# Altium PCB Main_PCB.PcbDoc (part 6 of 13) (continued)
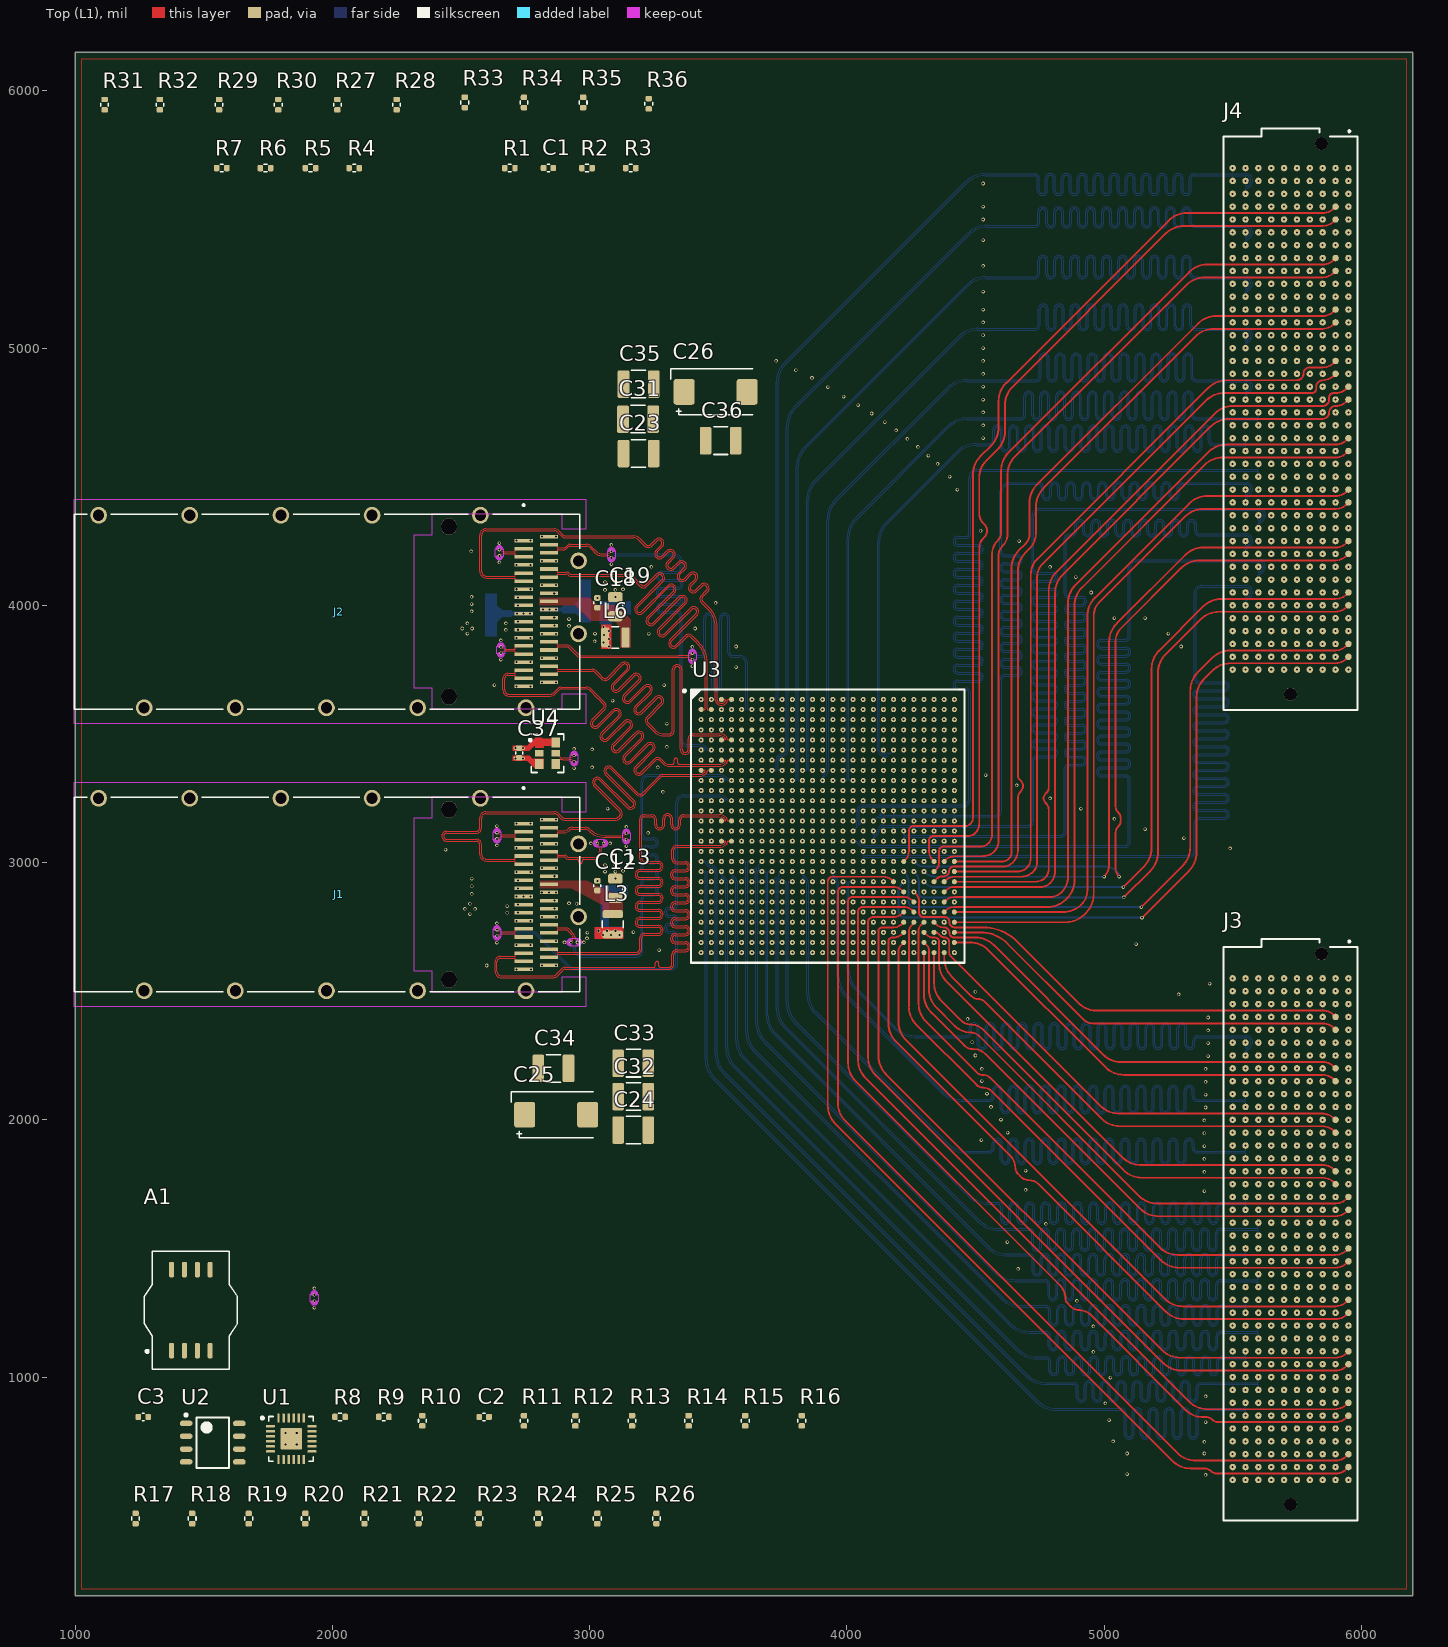
[diagram p0: Top (L1) view]
## Nets (pads, with @x,y where several pads share a name; then routed paths per layer and width w, separated by ;. In a path a pad name is that pad's centre, name@x,y a point inside that pad or via, vN(x,y) a via of type N, cw(c..) or ccw(c..) an arc to the next point about the centre after c; other vN are vias at no path point) (continued)
HPCC_A_62_P: J3.H36 U3.Y3 | length 3507.7
  Int9 (L10) w3.5: v1(3512.6,2886.22) 3500.17,2886.2 ccw(c3500.18,2882.7) 3497.3,2880.71 3499.74,2877.23 ccw(c3512.6,2886.22) 3510.12,2870.73 3516.27,2869.75 cw(c3512.6,2846.85) 3535.79,2846.85 3535.79,2625 cw(c3532.65,2621.86) 3537.09,2621.86 3537.09,2279.34 ccw(c3637.09,2279.34) 3566.37,2208.63 4966.31,808.69 ccw(c5037.02,879.4) 5037.02,779.4 5038,779.4 5044.15,779.4 ccw(c5044.15,791.15) 5055.9,791.15 5055.9,808.47 cw(c5076.45,808.47) 5097,808.47 5097,790.15 ccw(c5108.75,790.15) 5120.5,790.15 5120.5,808.47 cw(c5141.05,808.47) 5161.6,808.47 5161.6,791.15 ccw(c5173.35,791.15) 5173.35,779.4 5209.63,779.4 5596.5,779.4 ccw(c5596.5,782.9) 5598.97,780.43 ccw(c5596.5,782.9) 5600,782.9 v1(5600,800)
HPCC_A_63_N: J3.J3 U3.V19 | length 3525.4
  Int9 (L10) w3.5: v1(4142.52,2964.96) 4130.08,2964.96 ccw(c4130.08,2961.46) 4127.61,2963.94 ccw(c4130.08,2961.46) 4126.58,2961.46 ccw(c4130.08,2961.46) 4127.61,2958.99 ccw(c4151.72,2983.09) 4151.72,2949 4222.9,2949 cw(c4222.86,2941.5) 4225.03,2948.68 ; 4225.05,2948.67 4227.99,2947.78 4228.05,2947.76 cw(c4221.26,2925.59) 4244.45,2925.63 4244.45,2925.42 4244.94,2886.17 4244.94,2625 ccw(c4276.19,2625) 4254.09,2602.91 4255,2602 ccw(c4274.31,2621.31) 4274.31,2594 4475.56,2594 4514.01,2594 cw(c4514.01,2573.45) 4534.56,2573.45 4534.56,2526.36 ccw(c4546.31,2526.36) 4558.06,2526.36 4558.06,2575.41 cw(c4578.61,2575.41) 4599.16,2575.41 4599.16,2526.36 ccw(c4610.91,2526.36) 4622.66,2526.36 4622.66,2575.41 cw(c4643.21,2575.41) 4663.76,2575.41 4663.76,2526.36 ccw(c4675.51,2526.36) 4687.26,2526.36 4687.26,2575.41 cw(c4707.81,2575.41) 4728.36,2575.41 4728.36,2526.36 ccw(c4740.11,2526.36) 4751.86,2526.36 4751.86,2575.41 cw(c4772.41,2575.41) 4792.96,2575.41 4792.96,2526.36 ccw(c4804.71,2526.36) 4816.46,2526.36 4816.46,2575.41 cw(c4837.01,2575.41) 4857.56,2575.41 4857.56,2526.36 ccw(c4869.31,2526.36) 4881.06,2526.36 4881.06,2575.41 cw(c4901.61,2575.41) 4922.16,2575.41 4922.16,2526.36 ccw(c4933.91,2526.36) 4945.66,2526.36 4945.66,2575.41 cw(c4966.21,2575.41) 4986.76,2575.41 4986.76,2526.36 ccw(c4998.51,2526.36) 5010.26,2526.36 5010.26,2575.41 cw(c5030.81,2575.41) 5051.36,2575.41 5051.36,2526.36 ccw(c5063.11,2526.36) 5074.86,2526.36 5074.86,2575.41 cw(c5095.41,2575.41) 5115.96,2575.41 5115.96,2526.36 ccw(c5127.71,2526.36) 5139.46,2526.36 5139.46,2575.41 cw(c5160.01,2575.41) 5180.56,2575.41 5180.56,2526.36 ccw(c5192.31,2526.36) 5204.06,2526.36 5204.06,2575.41 cw(c5224.61,2575.41) 5245.16,2575.41 5245.16,2526.36 ccw(c5256.91,2526.36) 5268.66,2526.36 5268.66,2573.45 cw(c5289.21,2573.45) 5289.21,2594 5322,2594 5345.93,2594 cw(c5345.93,2485.2) 5422.87,2562.13 5445,2540 ccw(c5472.04,2567.04) 5472.04,2528.8 5552.93,2528.8 cw(c5552.93,2502.93) 5571.22,2521.22 cw(c5550.51,2500.51) 5579.8,2500.51 5579.8,2500 cw(c5555.07,2500) 5572.56,2482.51 5565.67,2475.62 cw(c5557,2484.35) 5561.71,2472.99 5558.21,2471.54 cw(c5553.5,2482.9) 5553.5,2470.6 ccw(c5553.5,2467.1) 5551.03,2469.57 ccw(c5553.5,2467.1) 5550,2467.1 v1(5550,2450)
HPCC_A_63_P: J3.J2 U3.V18 | length 3512.3
  Int9 (L10) w3.5: v1(4103.15,2964.96) 4115.58,2964.96 cw(c4115.58,2961.46) 4118.06,2963.94 cw(c4115.58,2961.46) 4119.08,2961.46 ccw(c4130.01,2961.43) 4122.28,2953.71 ccw(c4151.71,2983.08) 4151.71,2941.5 4222.86,2941.5 4225.76,2940.62 ; 4225.79,2940.61 4225.86,2940.59 cw(c4221.26,2925.59) 4236.95,2925.61 4236.95,2925.4 ccw(c4247.95,2925.42) 4236.95,2925.29 4237.44,2886.08 ; 4237.44,2886.05 4237.44,2883.06 4237.44,2625 ccw(c4240.58,2621.86) 4236.14,2621.86 ccw(c4268.61,2621.86) 4245.65,2598.9 4248.78,2595.78 ccw(c4274.31,2621.31) 4274.31,2585.2 4475.56,2585.2 4514.01,2585.2 cw(c4514.01,2573.45) 4525.76,2573.45 4525.76,2526.36 ccw(c4546.31,2526.36) 4566.86,2526.36 4566.86,2575.41 cw(c4578.61,2575.41) 4590.36,2575.41 4590.36,2526.36 ccw(c4610.91,2526.36) 4631.46,2526.36 4631.46,2575.41 cw(c4643.21,2575.41) 4654.96,2575.41 4654.96,2526.36 ccw(c4675.51,2526.36) 4696.06,2526.36 4696.06,2575.41 cw(c4707.81,2575.41) 4719.56,2575.41 4719.56,2526.36 ccw(c4740.11,2526.36) 4760.66,2526.36 4760.66,2575.41 cw(c4772.41,2575.41) 4784.16,2575.41 4784.16,2526.36 ccw(c4804.71,2526.36) 4825.26,2526.36 4825.26,2575.41 cw(c4837.01,2575.41) 4848.76,2575.41 4848.76,2526.36 ccw(c4869.31,2526.36) 4889.86,2526.36 4889.86,2575.41 cw(c4901.61,2575.41) 4913.36,2575.41 4913.36,2526.36 ccw(c4933.91,2526.36) 4954.46,2526.36 4954.46,2575.41 cw(c4966.21,2575.41) 4977.96,2575.41 4977.96,2526.36 ccw(c4998.51,2526.36) 5019.06,2526.36 5019.06,2575.41 cw(c5030.81,2575.41) 5042.56,2575.41 5042.56,2526.36 ccw(c5063.11,2526.36) 5083.66,2526.36 5083.66,2575.41 cw(c5095.41,2575.41) 5107.16,2575.41 5107.16,2526.36 ccw(c5127.71,2526.36) 5148.26,2526.36 5148.26,2575.41 cw(c5160.01,2575.41) 5171.76,2575.41 5171.76,2526.36 ccw(c5192.31,2526.36) 5212.86,2526.36 5212.86,2575.41 cw(c5224.61,2575.41) 5236.36,2575.41 5236.36,2526.36 ccw(c5256.91,2526.36) 5277.46,2526.36 5277.46,2573.45 cw(c5289.21,2573.45) 5289.21,2585.2 5322,2585.2 5345.93,2585.2 cw(c5345.93,2485.2) 5416.64,2555.91 5438.78,2533.78 ccw(c5472.04,2567.04) 5472.04,2520 5552.93,2520 cw(c5552.93,2502.93) 5565,2515 cw(c5550.51,2500.51) 5571,2500.51 5571,2500 cw(c5555.07,2500) 5566.33,2488.73 5559.46,2481.86 cw(c5557,2484.35) 5558.34,2481.12 5554.84,2479.67 cw(c5553.5,2482.9) 5553.5,2479.4 cw(c5553.5,2482.9) 5551.03,2480.43 cw(c5553.5,2482.9) 5550,2482.9 v1(5550,2500)
HPCC_A_64_N: J3.J7 U3.W16 | length 4444
  Bot (L12) w3.5: v1(4024.41,2925.59) 4011.97,2925.59 ccw(c4011.97,2922.09) 4009.5,2924.57 ccw(c4011.97,2922.09) 4008.47,2922.09 4008.47,2582.95 ccw(c4108.47,2582.95) 4037.29,2512.71 ccw(c4108.47,2582.95) 4037.76,2512.24 4193.16,2356.84 ccw(c4263.87,2427.55) 4263.87,2327.55 4459,2327.55 4464.53,2327.55 ccw(c4464.53,2339.3) 4476.28,2339.3 4476.28,2357.76 cw(c4495.58,2357.76) 4514.88,2357.76 4514.88,2292.31 ccw(c4526.63,2292.31) 4538.38,2292.31 4538.38,2357.76 cw(c4557.68,2357.76) 4576.98,2357.76 4576.98,2292.31 ccw(c4588.73,2292.31) 4600.48,2292.31 4600.48,2357.76 cw(c4619.78,2357.76) 4639.08,2357.76 4639.08,2292.31 ccw(c4650.83,2292.31) 4662.58,2292.31 4662.58,2357.76 cw(c4681.88,2357.76) 4701.18,2357.76 4701.18,2292.31 ccw(c4712.93,2292.31) 4724.68,2292.31 4724.68,2357.76 cw(c4743.98,2357.76) 4763.28,2357.76 4763.28,2292.31 ccw(c4775.03,2292.31) 4786.78,2292.31 4786.78,2357.76 cw(c4806.08,2357.76) 4825.38,2357.76 4825.38,2292.31 ccw(c4837.13,2292.31) 4848.88,2292.31 4848.88,2357.76 cw(c4868.18,2357.76) 4887.48,2357.76 4887.48,2292.31 ccw(c4899.23,2292.31) 4910.98,2292.31 4910.98,2357.76 cw(c4930.28,2357.76) 4949.58,2357.76 4949.58,2292.31 ccw(c4961.33,2292.31) 4973.08,2292.31 4973.08,2357.76 cw(c4992.38,2357.76) 5011.68,2357.76 5011.68,2292.31 ccw(c5023.43,2292.31) 5035.18,2292.31 5035.18,2357.76 cw(c5054.48,2357.76) 5073.78,2357.76 5073.78,2292.31 ccw(c5085.53,2292.31) 5097.28,2292.31 5097.28,2357.76 cw(c5116.58,2357.76) 5135.88,2357.76 5135.88,2292.31 ccw(c5147.63,2292.31) 5159.38,2292.31 5159.38,2357.76 cw(c5178.68,2357.76) 5197.98,2357.76 5197.98,2292.31 ccw(c5209.73,2292.31) 5221.48,2292.31 5221.48,2357.76 cw(c5240.78,2357.76) 5260.08,2357.76 5260.08,2292.31 ccw(c5271.83,2292.31) 5283.58,2292.31 5283.58,2357.76 cw(c5302.88,2357.76) 5322.18,2357.76 5322.18,2292.31 ccw(c5333.93,2292.31) 5345.68,2292.31 5345.68,2308.25 cw(c5364.98,2308.25) 5364.98,2327.55 5395,2327.55 5552.93,2327.55 cw(c5552.93,2302.93) 5570.34,2320.34 cw(c5552.93,2302.93) 5577.55,2302.93 5577.55,2300 cw(c5550.14,2300) 5569.52,2280.62 5564.83,2275.93 ; v1(5550,2250) 5550,2267.72 cw(c5553.5,2267.72) 5551.03,2270.2 cw(c5553.5,2267.72) 5553.5,2271.23 ; 5553.5,2271.22 ccw(c5553.5,2287.22) 5564.81,2275.91
HPCC_A_64_P: J3.J6 U3.W15 | length 4432.2
  Bot (L12) w3.5: v1(3985.04,2925.59) 3997.47,2925.59 cw(c3997.47,2922.09) 3999.95,2924.57 cw(c3997.47,2922.09) 4000.97,2922.09 4000.97,2625 4000.92,2624.95 4000.92,2582.27 ccw(c4106.85,2582.27) 4031.95,2507.37 4187.82,2351.5 ccw(c4263.87,2427.55) 4263.87,2320 4459,2320 4464.53,2320 ccw(c4464.53,2339.3) 4483.83,2339.3 4483.83,2357.76 cw(c4495.58,2357.76) 4507.33,2357.76 4507.33,2292.31 ccw(c4526.63,2292.31) 4545.93,2292.31 4545.93,2357.76 cw(c4557.68,2357.76) 4569.43,2357.76 4569.43,2292.31 ccw(c4588.73,2292.31) 4608.03,2292.31 4608.03,2357.76 cw(c4619.78,2357.76) 4631.53,2357.76 4631.53,2292.31 ccw(c4650.83,2292.31) 4670.13,2292.31 4670.13,2357.76 cw(c4681.88,2357.76) 4693.63,2357.76 4693.63,2292.31 ccw(c4712.93,2292.31) 4732.23,2292.31 4732.23,2357.76 cw(c4743.98,2357.76) 4755.73,2357.76 4755.73,2292.31 ccw(c4775.03,2292.31) 4794.33,2292.31 4794.33,2357.76 cw(c4806.08,2357.76) 4817.83,2357.76 4817.83,2292.31 ccw(c4837.13,2292.31) 4856.43,2292.31 4856.43,2357.76 cw(c4868.18,2357.76) 4879.93,2357.76 4879.93,2292.31 ccw(c4899.23,2292.31) 4918.53,2292.31 4918.53,2357.76 cw(c4930.28,2357.76) 4942.03,2357.76 4942.03,2292.31 ccw(c4961.33,2292.31) 4980.63,2292.31 4980.63,2357.76 cw(c4992.38,2357.76) 5004.13,2357.76 5004.13,2292.31 ccw(c5023.43,2292.31) 5042.73,2292.31 5042.73,2357.76 cw(c5054.48,2357.76) 5066.23,2357.76 5066.23,2292.31 ccw(c5085.53,2292.31) 5104.83,2292.31 5104.83,2357.76 cw(c5116.58,2357.76) 5128.33,2357.76 5128.33,2292.31 ccw(c5147.63,2292.31) 5166.93,2292.31 5166.93,2357.76 cw(c5178.68,2357.76) 5190.43,2357.76 5190.43,2292.31 ccw(c5209.73,2292.31) 5229.03,2292.31 5229.03,2357.76 cw(c5240.78,2357.76) 5252.53,2357.76 5252.53,2292.31 ccw(c5271.83,2292.31) 5291.13,2292.31 5291.13,2357.76 cw(c5302.88,2357.76) 5314.63,2357.76 5314.63,2292.31 ccw(c5333.93,2292.31) 5353.23,2292.31 5353.23,2308.25 cw(c5364.98,2308.25) 5364.98,2320 5395,2320 5552.93,2320 cw(c5552.93,2302.93) 5565,2315 cw(c5552.93,2302.93) 5570,2302.93 5570,2300 cw(c5550.14,2300) 5564.18,2285.96 5559.49,2281.27 cw(c5557.02,2283.74) 5558.36,2280.51 5554.85,2279.04 cw(c5553.5,2282.28) 5553.5,2278.78 ; v1(5550,2300) 5550,2282.28 ccw(c5553.5,2282.28) 5551.03,2279.8 ccw(c5553.5,2282.28) 5553.5,2278.77
HPCC_A_65_N: J3.J11 U3.W14 | length 4443.1
  Bot (L12) w3.5: v1(3945.67,2925.59) 3945.67,2938.03 cw(c3949.17,2938.03) 3946.69,2940.5 cw(c3949.17,2938.03) 3949.17,2941.53 cw(c3949.17,2938.03) 3951.64,2940.5 cw(c3926.64,2915.5) 3962,2915.5 3962,2889 cw(c3958.5,2889.02) 3961.98,2888.68 ccw(c3985.04,2886.22) 3961.98,2883.76 cw(c3958.5,2883.42) 3962,2883.44 3962,2849.86 cw(c3958.5,2849.86) 3961.99,2849.58 3961.93,2848.7 ccw(c3985.04,2846.85) 3961.85,2846.85 3961.85,2650 ccw(c3985.04,2650) 3961.85,2649.69 3962,2637.23 cw(c3958.5,2637.17) 3962,2637.17 3962,2625 ; 3962,2623.87 3962,2556.87 ccw(c4069.55,2556.87) 3993.5,2480.82 4371.6,2102.73 ccw(c4447.65,2178.78) 4447.65,2071.22 4549,2071.22 4554.53,2071.22 ccw(c4554.53,2090.53) 4573.83,2090.53 4573.83,2114.51 cw(c4585.58,2114.51) 4597.33,2114.51 4597.33,2043.57 ccw(c4616.63,2043.57) 4635.93,2043.57 4635.93,2114.51 cw(c4647.68,2114.51) 4659.43,2114.51 4659.43,2043.57 ccw(c4678.73,2043.57) 4698.03,2043.57 4698.03,2114.51 cw(c4709.78,2114.51) 4721.53,2114.51 4721.53,2043.57 ccw(c4740.83,2043.57) 4760.13,2043.57 4760.13,2114.51 cw(c4771.88,2114.51) 4783.63,2114.51 4783.63,2043.57 ccw(c4802.93,2043.57) 4822.23,2043.57 4822.23,2114.51 cw(c4833.98,2114.51) 4845.73,2114.51 4845.73,2043.57 ccw(c4865.03,2043.57) 4884.33,2043.57 4884.33,2114.51 cw(c4896.08,2114.51) 4907.83,2114.51 4907.83,2043.57 ccw(c4927.13,2043.57) 4946.43,2043.57 4946.43,2114.51 cw(c4958.18,2114.51) 4969.93,2114.51 4969.93,2043.57 ccw(c4989.23,2043.57) 5008.53,2043.57 5008.53,2114.51 cw(c5020.28,2114.51) 5032.03,2114.51 5032.03,2043.57 ccw(c5051.33,2043.57) 5070.63,2043.57 5070.63,2114.51 cw(c5082.38,2114.51) 5094.13,2114.51 5094.13,2043.57 ccw(c5113.43,2043.57) 5132.73,2043.57 5132.73,2114.51 cw(c5144.48,2114.51) 5156.23,2114.51 5156.23,2043.57 ccw(c5175.53,2043.57) 5194.83,2043.57 5194.83,2114.51 cw(c5206.58,2114.51) 5218.33,2114.51 5218.33,2043.57 ccw(c5237.63,2043.57) 5256.93,2043.57 5256.93,2114.51 cw(c5268.68,2114.51) 5280.43,2114.51 5280.43,2043.57 ccw(c5299.73,2043.57) 5319.03,2043.57 5319.03,2114.51 cw(c5330.78,2114.51) 5342.53,2114.51 5342.53,2090.53 ccw(c5361.83,2090.53) 5361.83,2071.22 5384,2071.22 5546.5,2071.22 ; 5546.5,2071.23 cw(c5546.5,2067.72) 5548.97,2070.2 cw(c5546.5,2067.72) 5550,2067.72 v1(5550,2050)
HPCC_A_65_P: J3.J10 U3.V14 | length 4444.2
  Bot (L12) w3.5: v1(3945.67,2964.96) 3945.67,2952.53 ccw(c3949.17,2952.53) 3946.69,2950.05 ccw(c3949.17,2952.53) 3949.17,2949.03 3949.22,2949.03 cw(c3949.22,2938.15) 3956.91,2945.84 3956.97,2945.78 cw(c3926.74,2915.54) 3969.5,2915.54 ; 3969.35,2649.77 3969.5,2637.34 cw(c3958.5,2637.17) 3969.5,2637.17 3969.5,2627 3969.55,2626.95 3969.55,2556.87 ccw(c4069.55,2556.87) 3998.84,2486.16 4376.94,2108.06 ccw(c4447.65,2178.78) 4447.65,2078.78 4549,2078.78 4554.53,2078.78 ccw(c4554.53,2090.53) 4566.28,2090.53 4566.28,2114.51 cw(c4585.58,2114.51) 4604.88,2114.51 4604.88,2043.57 ccw(c4616.63,2043.57) 4628.38,2043.57 4628.38,2114.51 cw(c4647.68,2114.51) 4666.98,2114.51 4666.98,2043.57 ccw(c4678.73,2043.57) 4690.48,2043.57 4690.48,2114.51 cw(c4709.78,2114.51) 4729.08,2114.51 4729.08,2043.57 ccw(c4740.83,2043.57) 4752.58,2043.57 4752.58,2114.51 cw(c4771.88,2114.51) 4791.18,2114.51 4791.18,2043.57 ccw(c4802.93,2043.57) 4814.68,2043.57 4814.68,2114.51 cw(c4833.98,2114.51) 4853.28,2114.51 4853.28,2043.57 ccw(c4865.03,2043.57) 4876.78,2043.57 4876.78,2114.51 cw(c4896.08,2114.51) 4915.38,2114.51 4915.38,2043.57 ccw(c4927.13,2043.57) 4938.88,2043.57 4938.88,2114.51 cw(c4958.18,2114.51) 4977.48,2114.51 4977.48,2043.57 ccw(c4989.23,2043.57) 5000.98,2043.57 5000.98,2114.51 cw(c5020.28,2114.51) 5039.58,2114.51 5039.58,2043.57 ccw(c5051.33,2043.57) 5063.08,2043.57 5063.08,2114.51 cw(c5082.38,2114.51) 5101.68,2114.51 5101.68,2043.57 ccw(c5113.43,2043.57) 5125.18,2043.57 5125.18,2114.51 cw(c5144.48,2114.51) 5163.78,2114.51 5163.78,2043.57 ccw(c5175.53,2043.57) 5187.28,2043.57 5187.28,2114.51 cw(c5206.58,2114.51) 5225.88,2114.51 5225.88,2043.57 ccw(c5237.63,2043.57) 5249.38,2043.57 5249.38,2114.51 cw(c5268.68,2114.51) 5287.98,2114.51 5287.98,2043.57 ccw(c5299.73,2043.57) 5311.48,2043.57 5311.48,2114.51 cw(c5330.78,2114.51) 5350.08,2114.51 5350.08,2090.53 ccw(c5361.83,2090.53) 5361.83,2078.78 5384,2078.78 5546.5,2078.78 ; 3969.35,2649.78 cw(c3985.04,2650) 3969.35,2650 3969.35,2846.85 cw(c3985.04,2846.85) 3969.4,2848.13 3969.47,2849.02 ccw(c3958.5,2849.86) 3969.5,2849.86 3969.5,2883.45 ccw(c3958.5,2883.42) 3969.44,2884.55 cw(c3985.04,2886.22) 3969.44,2887.91 ccw(c3958.5,2889.02) 3969.5,2888.98 3969.5,2915.52 ; 5546.5,2078.77 ccw(c5546.5,2082.28) 5548.97,2079.8 ccw(c5546.5,2082.28) 5550,2082.28 v1(5550,2100)
HPCC_A_66_N: J3.J15 U3.W11 | length 4442
  Bot (L12) w3.5: v1(3827.56,2925.59) 3827.56,2938.03 cw(c3831.06,2938.03) 3828.58,2940.5 cw(c3831.06,2938.03) 3831.06,2941.53 cw(c3831.06,2938.03) 3833.53,2940.5 cw(c3808.27,2915.23) 3844,2915.23 3844,2889.89 cw(c3840.5,2889.92) 3843.97,2889.46 ccw(c3866.93,2886.22) 3843.97,2882.98 cw(c3840.5,2882.52) 3844,2882.55 3844,2850.78 cw(c3840.5,2850.78) 3843.98,2850.38 3843.87,2849.24 ccw(c3866.93,2846.85) 3843.74,2846.85 3843.74,2650 ccw(c3866.93,2650) 3843.75,2649.6 3844,2631.8 cw(c3840.5,2631.73) 3844,2631.73 3844,2625 ; 3844,2624.87 3844,2489.87 ccw(c3951.55,2489.87) 3875.5,2413.82 4386.6,1902.73 ccw(c4462.65,1978.78) 4462.65,1871.23 4549,1871.22 4554.53,1871.22 ccw(c4554.53,1890.53) 4573.83,1890.53 4573.83,1908.2 cw(c4585.58,1908.2) 4597.33,1908.2 4597.33,1846.82 ccw(c4616.63,1846.82) 4635.93,1846.82 4635.93,1908.2 cw(c4647.68,1908.2) 4659.43,1908.2 4659.43,1846.82 ccw(c4678.73,1846.82) 4698.03,1846.82 4698.03,1908.2 cw(c4709.78,1908.2) 4721.53,1908.2 4721.53,1846.82 ccw(c4740.83,1846.82) 4760.13,1846.82 4760.13,1908.2 cw(c4771.88,1908.2) 4783.63,1908.2 4783.63,1846.82 ccw(c4802.93,1846.82) 4822.23,1846.82 4822.23,1908.2 cw(c4833.98,1908.2) 4845.73,1908.2 4845.73,1846.82 ccw(c4865.03,1846.82) 4884.33,1846.82 4884.33,1908.2 cw(c4896.08,1908.2) 4907.83,1908.2 4907.83,1846.82 ccw(c4927.13,1846.82) 4946.43,1846.82 4946.43,1908.2 cw(c4958.18,1908.2) 4969.93,1908.2 4969.93,1846.82 ccw(c4989.23,1846.82) 5008.53,1846.82 5008.53,1908.2 cw(c5020.28,1908.2) 5032.03,1908.2 5032.03,1846.82 ccw(c5051.33,1846.82) 5070.63,1846.82 5070.63,1908.2 cw(c5082.38,1908.2) 5094.13,1908.2 5094.13,1846.82 ccw(c5113.43,1846.82) 5132.73,1846.82 5132.73,1908.2 cw(c5144.48,1908.2) 5156.23,1908.2 5156.23,1846.82 ccw(c5175.53,1846.82) 5194.83,1846.82 5194.83,1908.2 cw(c5206.58,1908.2) 5218.33,1908.2 5218.33,1846.82 ccw(c5237.63,1846.82) 5256.93,1846.82 5256.93,1908.2 cw(c5268.68,1908.2) 5280.43,1908.2 5280.43,1846.82 ccw(c5299.73,1846.82) 5319.03,1846.82 5319.03,1908.2 cw(c5330.78,1908.2) 5342.53,1908.2 5342.53,1890.53 ccw(c5361.83,1890.53) 5361.83,1871.23 5386,1871.22 5546.5,1871.22 cw(c5546.5,1867.72) 5548.97,1870.2 cw(c5546.5,1867.72) 5550,1867.72 v1(5550,1850)
HPCC_A_66_P: J3.J14 U3.V11 | length 4442.1
  Bot (L12) w3.5: v1(3827.56,2964.96) 3827.56,2952.53 ccw(c3831.06,2952.53) 3828.58,2950.05 ccw(c3831.06,2952.53) 3831.06,2949.03 3831.11,2949.03 cw(c3831.11,2938.15) 3838.8,2945.84 3838.92,2945.73 cw(c3808.53,2915.34) 3851.5,2915.34 ; 3851.5,2889.87 cw(c3840.5,2889.92) 3851.4,2888.42 ccw(c3866.93,2886.22) 3851.4,2884.01 cw(c3840.5,2882.52) 3851.5,2882.57 3851.5,2850.78 cw(c3840.5,2850.78) 3851.44,2849.6 3851.33,2848.48 ccw(c3866.93,2846.85) 3851.24,2846.85 3851.24,2650 ccw(c3866.93,2650) 3851.24,2649.71 3851.5,2631.89 cw(c3840.5,2631.73) 3851.5,2631.73 3851.5,2628 3851.55,2627.95 3851.55,2489.87 ccw(c3951.55,2489.87) 3880.84,2419.16 4391.94,1908.06 ccw(c4462.65,1978.78) 4462.65,1878.78 4549,1878.78 4554.53,1878.78 ccw(c4554.53,1890.53) 4566.28,1890.53 4566.28,1908.2 cw(c4585.58,1908.2) 4604.88,1908.2 4604.88,1846.82 ccw(c4616.63,1846.82) 4628.38,1846.82 4628.38,1908.2 cw(c4647.68,1908.2) 4666.98,1908.2 4666.98,1846.82 ccw(c4678.73,1846.82) 4690.48,1846.82 4690.48,1908.2 cw(c4709.78,1908.2) 4729.08,1908.2 4729.08,1846.82 ccw(c4740.83,1846.82) 4752.58,1846.82 4752.58,1908.2 cw(c4771.88,1908.2) 4791.18,1908.2 4791.18,1846.82 ccw(c4802.93,1846.82) 4814.68,1846.82 4814.68,1908.2 cw(c4833.98,1908.2) 4853.28,1908.2 4853.28,1846.82 ccw(c4865.03,1846.82) 4876.78,1846.82 4876.78,1908.2 cw(c4896.08,1908.2) 4915.38,1908.2 4915.38,1846.82 ccw(c4927.13,1846.82) 4938.88,1846.82 4938.88,1908.2 cw(c4958.18,1908.2) 4977.48,1908.2 4977.48,1846.82 ccw(c4989.23,1846.82) 5000.98,1846.82 5000.98,1908.2 cw(c5020.28,1908.2) 5039.58,1908.2 5039.58,1846.82 ccw(c5051.33,1846.82) 5063.08,1846.82 5063.08,1908.2 cw(c5082.38,1908.2) 5101.68,1908.2 5101.68,1846.82 ccw(c5113.43,1846.82) 5125.18,1846.82 5125.18,1908.2 cw(c5144.48,1908.2) 5163.78,1908.2 5163.78,1846.82 ccw(c5175.53,1846.82) 5187.28,1846.82 5187.28,1908.2 cw(c5206.58,1908.2) 5225.88,1908.2 5225.88,1846.82 ccw(c5237.63,1846.82) 5249.38,1846.82 5249.38,1908.2 cw(c5268.68,1908.2) 5287.98,1908.2 5287.98,1846.82 ccw(c5299.73,1846.82) 5311.48,1846.82 5311.48,1908.2 cw(c5330.78,1908.2) 5350.08,1908.2 5350.08,1890.53 ccw(c5361.83,1890.53) 5361.83,1878.78 5386,1878.78 5546.5,1878.78 ccw(c5546.5,1882.28) 5548.97,1879.8 ccw(c5546.5,1882.28) 5550,1882.28 v1(5550,1900) ; 3851.5,2889.88 3851.5,2915.23 3851.5,2915.31
HPCC_A_67_N: J3.J19 U3.W9 | length 4444.3
  Bot (L12) w3.5: v1(3748.82,2925.59) 3761.25,2925.59 cw(c3761.25,2922.09) 3763.73,2924.57 cw(c3761.25,2922.09) 3764.75,2922.09 3764.75,2625 ; 3764.75,2624.87 3764.75,2454.12 ccw(c3872.3,2454.12) 3796.25,2378.07 4471.6,1702.73 ccw(c4547.65,1778.78) 4547.65,1671.23 4550.11,1671.22 4586.69,1671.22 cw(c4586.69,1659.47) 4598.44,1659.47 4598.44,1613.51 ccw(c4617.74,1613.51) 4637.04,1613.51 4637.04,1660.6 cw(c4648.79,1660.6) 4660.54,1660.6 4660.54,1613.51 ccw(c4679.84,1613.51) 4699.14,1613.51 4699.14,1660.6 cw(c4710.89,1660.6) 4722.64,1660.6 4722.64,1613.51 ccw(c4741.94,1613.51) 4761.24,1613.51 4761.24,1660.6 cw(c4772.99,1660.6) 4784.74,1660.6 4784.74,1613.51 ccw(c4804.04,1613.51) 4823.34,1613.51 4823.34,1660.6 cw(c4835.09,1660.6) 4846.84,1660.6 4846.84,1613.51 ccw(c4866.14,1613.51) 4885.44,1613.51 4885.44,1660.6 cw(c4897.19,1660.6) 4908.94,1660.6 4908.94,1613.51 ccw(c4928.24,1613.51) 4947.54,1613.51 4947.54,1660.6 cw(c4959.29,1660.6) 4971.04,1660.6 4971.04,1613.51 ccw(c4990.34,1613.51) 5009.64,1613.51 5009.64,1660.6 cw(c5021.39,1660.6) 5033.14,1660.6 5033.14,1613.51 ccw(c5052.44,1613.51) 5071.74,1613.51 5071.74,1660.6 cw(c5083.49,1660.6) 5095.24,1660.6 5095.24,1613.51 ccw(c5114.54,1613.51) 5133.84,1613.51 5133.84,1660.6 cw(c5145.59,1660.6) 5157.34,1660.6 5157.34,1613.51 ccw(c5176.64,1613.51) 5195.94,1613.51 5195.94,1660.6 cw(c5207.69,1660.6) 5219.44,1660.6 5219.44,1613.51 ccw(c5238.74,1613.51) 5258.04,1613.51 5258.04,1660.6 cw(c5269.79,1660.6) 5281.54,1660.6 5281.54,1613.51 ccw(c5300.84,1613.51) 5320.14,1613.51 5320.14,1660.6 cw(c5331.89,1660.6) 5343.64,1660.6 5343.64,1613.51 ccw(c5362.94,1613.51) 5382.24,1613.51 5382.24,1660.6 cw(c5393.99,1660.6) 5405.74,1660.6 5405.74,1613.51 ccw(c5425.04,1613.51) 5444.34,1613.51 5444.34,1659.47 cw(c5456.09,1659.47) 5456.09,1671.22 5484.3,1671.22 5546.5,1671.22 cw(c5546.5,1667.72) 5548.97,1670.2 cw(c5546.5,1667.72) 5550,1667.72 v1(5550,1650)
HPCC_A_67_P: J3.J18 U3.W10 | length 4432.6
  Bot (L12) w3.5: v1(3788.19,2925.59) 3775.75,2925.59 ccw(c3775.75,2922.09) 3773.28,2924.57 ccw(c3775.75,2922.09) 3772.25,2922.09 3772.25,2628 3772.3,2627.95 3772.3,2454.12 ccw(c3872.3,2454.12) 3801.59,2383.41 4476.94,1708.06 ccw(c4547.65,1778.78) 4547.65,1678.78 4550.11,1678.78 4586.69,1678.78 cw(c4586.69,1659.47) 4605.99,1659.47 4605.99,1613.51 ccw(c4617.74,1613.51) 4629.49,1613.51 4629.49,1660.6 cw(c4648.79,1660.6) 4668.09,1660.6 4668.09,1613.51 ccw(c4679.84,1613.51) 4691.59,1613.51 4691.59,1660.6 cw(c4710.89,1660.6) 4730.19,1660.6 4730.19,1613.51 ccw(c4741.94,1613.51) 4753.69,1613.51 4753.69,1660.6 cw(c4772.99,1660.6) 4792.29,1660.6 4792.29,1613.51 ccw(c4804.04,1613.51) 4815.79,1613.51 4815.79,1660.6 cw(c4835.09,1660.6) 4854.39,1660.6 4854.39,1613.51 ccw(c4866.14,1613.51) 4877.89,1613.51 4877.89,1660.6 cw(c4897.19,1660.6) 4916.49,1660.6 4916.49,1613.51 ccw(c4928.24,1613.51) 4939.99,1613.51 4939.99,1660.6 cw(c4959.29,1660.6) 4978.59,1660.6 4978.59,1613.51 ccw(c4990.34,1613.51) 5002.09,1613.51 5002.09,1660.6 cw(c5021.39,1660.6) 5040.69,1660.6 5040.69,1613.51 ccw(c5052.44,1613.51) 5064.19,1613.51 5064.19,1660.6 cw(c5083.49,1660.6) 5102.79,1660.6 5102.79,1613.51 ccw(c5114.54,1613.51) 5126.29,1613.51 5126.29,1660.6 cw(c5145.59,1660.6) 5164.89,1660.6 5164.89,1613.51 ccw(c5176.64,1613.51) 5188.39,1613.51 5188.39,1660.6 cw(c5207.69,1660.6) 5226.99,1660.6 5226.99,1613.51 ccw(c5238.74,1613.51) 5250.49,1613.51 5250.49,1660.6 cw(c5269.79,1660.6) 5289.09,1660.6 5289.09,1613.51 ccw(c5300.84,1613.51) 5312.59,1613.51 5312.59,1660.6 cw(c5331.89,1660.6) 5351.19,1660.6 5351.19,1613.51 ccw(c5362.94,1613.51) 5374.69,1613.51 5374.69,1660.6 cw(c5393.99,1660.6) 5413.29,1660.6 5413.29,1613.51 ccw(c5425.04,1613.51) 5436.79,1613.51 5436.79,1659.47 cw(c5456.09,1659.47) 5456.09,1678.77 5484.3,1678.78 5546.5,1678.78 ccw(c5546.5,1682.28) 5548.97,1679.8 ccw(c5546.5,1682.28) 5550,1682.28 v1(5550,1700)
HPCC_A_68_N: J3.J23 U3.V7 | length 4455.1
  Bot (L12) w3.5: v1(3670.08,2964.96) 3682.51,2964.96 cw(c3682.51,2961.46) 3684.99,2963.94 cw(c3682.51,2961.46) 3686.01,2961.46 3686.01,2407.86 ccw(c3793.56,2407.86) 3717.51,2331.81 4546.6,1502.73 ccw(c4622.65,1578.78) 4622.65,1471.23 ; 4622.65,1471.22 4672,1471.22 4708.58,1471.22 cw(c4708.58,1459.47) 4720.33,1459.47 4720.33,1411.57 ccw(c4739.63,1411.57) 4758.93,1411.57 4758.93,1460.38 cw(c4770.68,1460.38) 4782.43,1460.38 4782.43,1411.57 ccw(c4801.73,1411.57) 4821.03,1411.57 4821.03,1460.38 cw(c4832.78,1460.38) 4844.53,1460.38 4844.53,1411.57 ccw(c4863.83,1411.57) 4883.13,1411.57 4883.13,1460.38 cw(c4894.88,1460.38) 4906.63,1460.38 4906.63,1411.57 ccw(c4925.93,1411.57) 4945.23,1411.57 4945.23,1460.38 cw(c4956.98,1460.38) 4968.73,1460.38 4968.73,1411.57 ccw(c4988.03,1411.57) 5007.33,1411.57 5007.33,1460.38 cw(c5019.08,1460.38) 5030.83,1460.38 5030.83,1411.57 ccw(c5050.13,1411.57) 5069.43,1411.57 5069.43,1460.38 cw(c5081.18,1460.38) 5092.93,1460.38 5092.93,1411.57 ccw(c5112.23,1411.57) 5131.53,1411.57 5131.53,1460.38 cw(c5143.28,1460.38) 5155.03,1460.38 5155.03,1411.57 ccw(c5174.33,1411.57) 5193.63,1411.57 5193.63,1460.38 cw(c5205.38,1460.38) 5217.13,1460.38 5217.13,1411.57 ccw(c5236.43,1411.57) 5255.73,1411.57 5255.73,1460.38 cw(c5267.48,1460.38) 5279.23,1460.38 5279.23,1411.57 ccw(c5298.53,1411.57) 5317.83,1411.57 5317.83,1460.38 cw(c5329.58,1460.38) 5341.33,1460.38 5341.33,1411.57 ccw(c5360.63,1411.57) 5379.93,1411.57 5379.93,1460.38 cw(c5391.68,1460.38) 5403.43,1460.38 5403.43,1411.57 ccw(c5422.73,1411.57) 5442.03,1411.57 5442.03,1459.47 cw(c5453.78,1459.47) 5453.78,1471.22 5478,1471.22 5546.5,1471.22 cw(c5546.5,1467.72) 5548.97,1470.2 cw(c5546.5,1467.72) 5550,1467.72 v1(5550,1450)
HPCC_A_68_P: J3.J22 U3.V8 | length 4443.2
  Bot (L12) w3.5: 3693.51,2630 3693.51,2961.46 cw(c3697.01,2961.46) 3694.54,2963.94 cw(c3697.01,2961.46) 3697.01,2964.96 v1(3709.45,2964.96) ; 3693.56,2629.97 3693.56,2407.86 ccw(c3793.56,2407.86) 3722.85,2337.15 4551.94,1508.06 ccw(c4622.65,1578.78) 4622.65,1478.78 4672,1478.78 4708.58,1478.78 ; 4708.58,1478.77 cw(c4708.58,1459.47) 4727.88,1459.47 4727.88,1411.57 ccw(c4739.63,1411.57) 4751.38,1411.57 4751.38,1460.38 cw(c4770.68,1460.38) 4789.98,1460.38 4789.98,1411.57 ccw(c4801.73,1411.57) 4813.48,1411.57 4813.48,1460.38 cw(c4832.78,1460.38) 4852.08,1460.38 4852.08,1411.57 ccw(c4863.83,1411.57) 4875.58,1411.57 4875.58,1460.38 cw(c4894.88,1460.38) 4914.18,1460.38 4914.18,1411.57 ccw(c4925.93,1411.57) 4937.68,1411.57 4937.68,1460.38 cw(c4956.98,1460.38) 4976.28,1460.38 4976.28,1411.57 ccw(c4988.03,1411.57) 4999.78,1411.57 4999.78,1460.38 cw(c5019.08,1460.38) 5038.38,1460.38 5038.38,1411.57 ccw(c5050.13,1411.57) 5061.88,1411.57 5061.88,1460.38 cw(c5081.18,1460.38) 5100.48,1460.38 5100.48,1411.57 ccw(c5112.23,1411.57) 5123.98,1411.57 5123.98,1460.38 cw(c5143.28,1460.38) 5162.58,1460.38 5162.58,1411.57 ccw(c5174.33,1411.57) 5186.08,1411.57 5186.08,1460.38 cw(c5205.38,1460.38) 5224.68,1460.38 5224.68,1411.57 ccw(c5236.43,1411.57) 5248.18,1411.57 5248.18,1460.38 cw(c5267.48,1460.38) 5286.78,1460.38 5286.78,1411.57 ccw(c5298.53,1411.57) 5310.28,1411.57 5310.28,1460.38 cw(c5329.58,1460.38) 5348.88,1460.38 5348.88,1411.57 ccw(c5360.63,1411.57) 5372.38,1411.57 5372.38,1460.38 cw(c5391.68,1460.38) 5410.98,1460.38 5410.98,1411.57 ccw(c5422.73,1411.57) 5434.48,1411.57 5434.48,1459.47 cw(c5453.78,1459.47) 5453.78,1478.77 ; 5453.78,1478.78 5478,1478.78 5546.5,1478.78 ccw(c5546.5,1482.28) 5548.97,1479.8 ccw(c5546.5,1482.28) 5550,1482.28 v1(5550,1500)